# Altium PCB drac_v2.PcbDoc (part 4 of 5)
Units mm, origin at the board's own origin, x right, y up, seen from the top; angles counter-clockwise.
Board outline 160 x 214.5 mm, 4 copper layers (Top Layer, Mid Layer 1, Mid Layer 2, Bottom Layer), stack 1.57 mm thick; 345 components, 219 nets, 1278 pads, 816 vias.
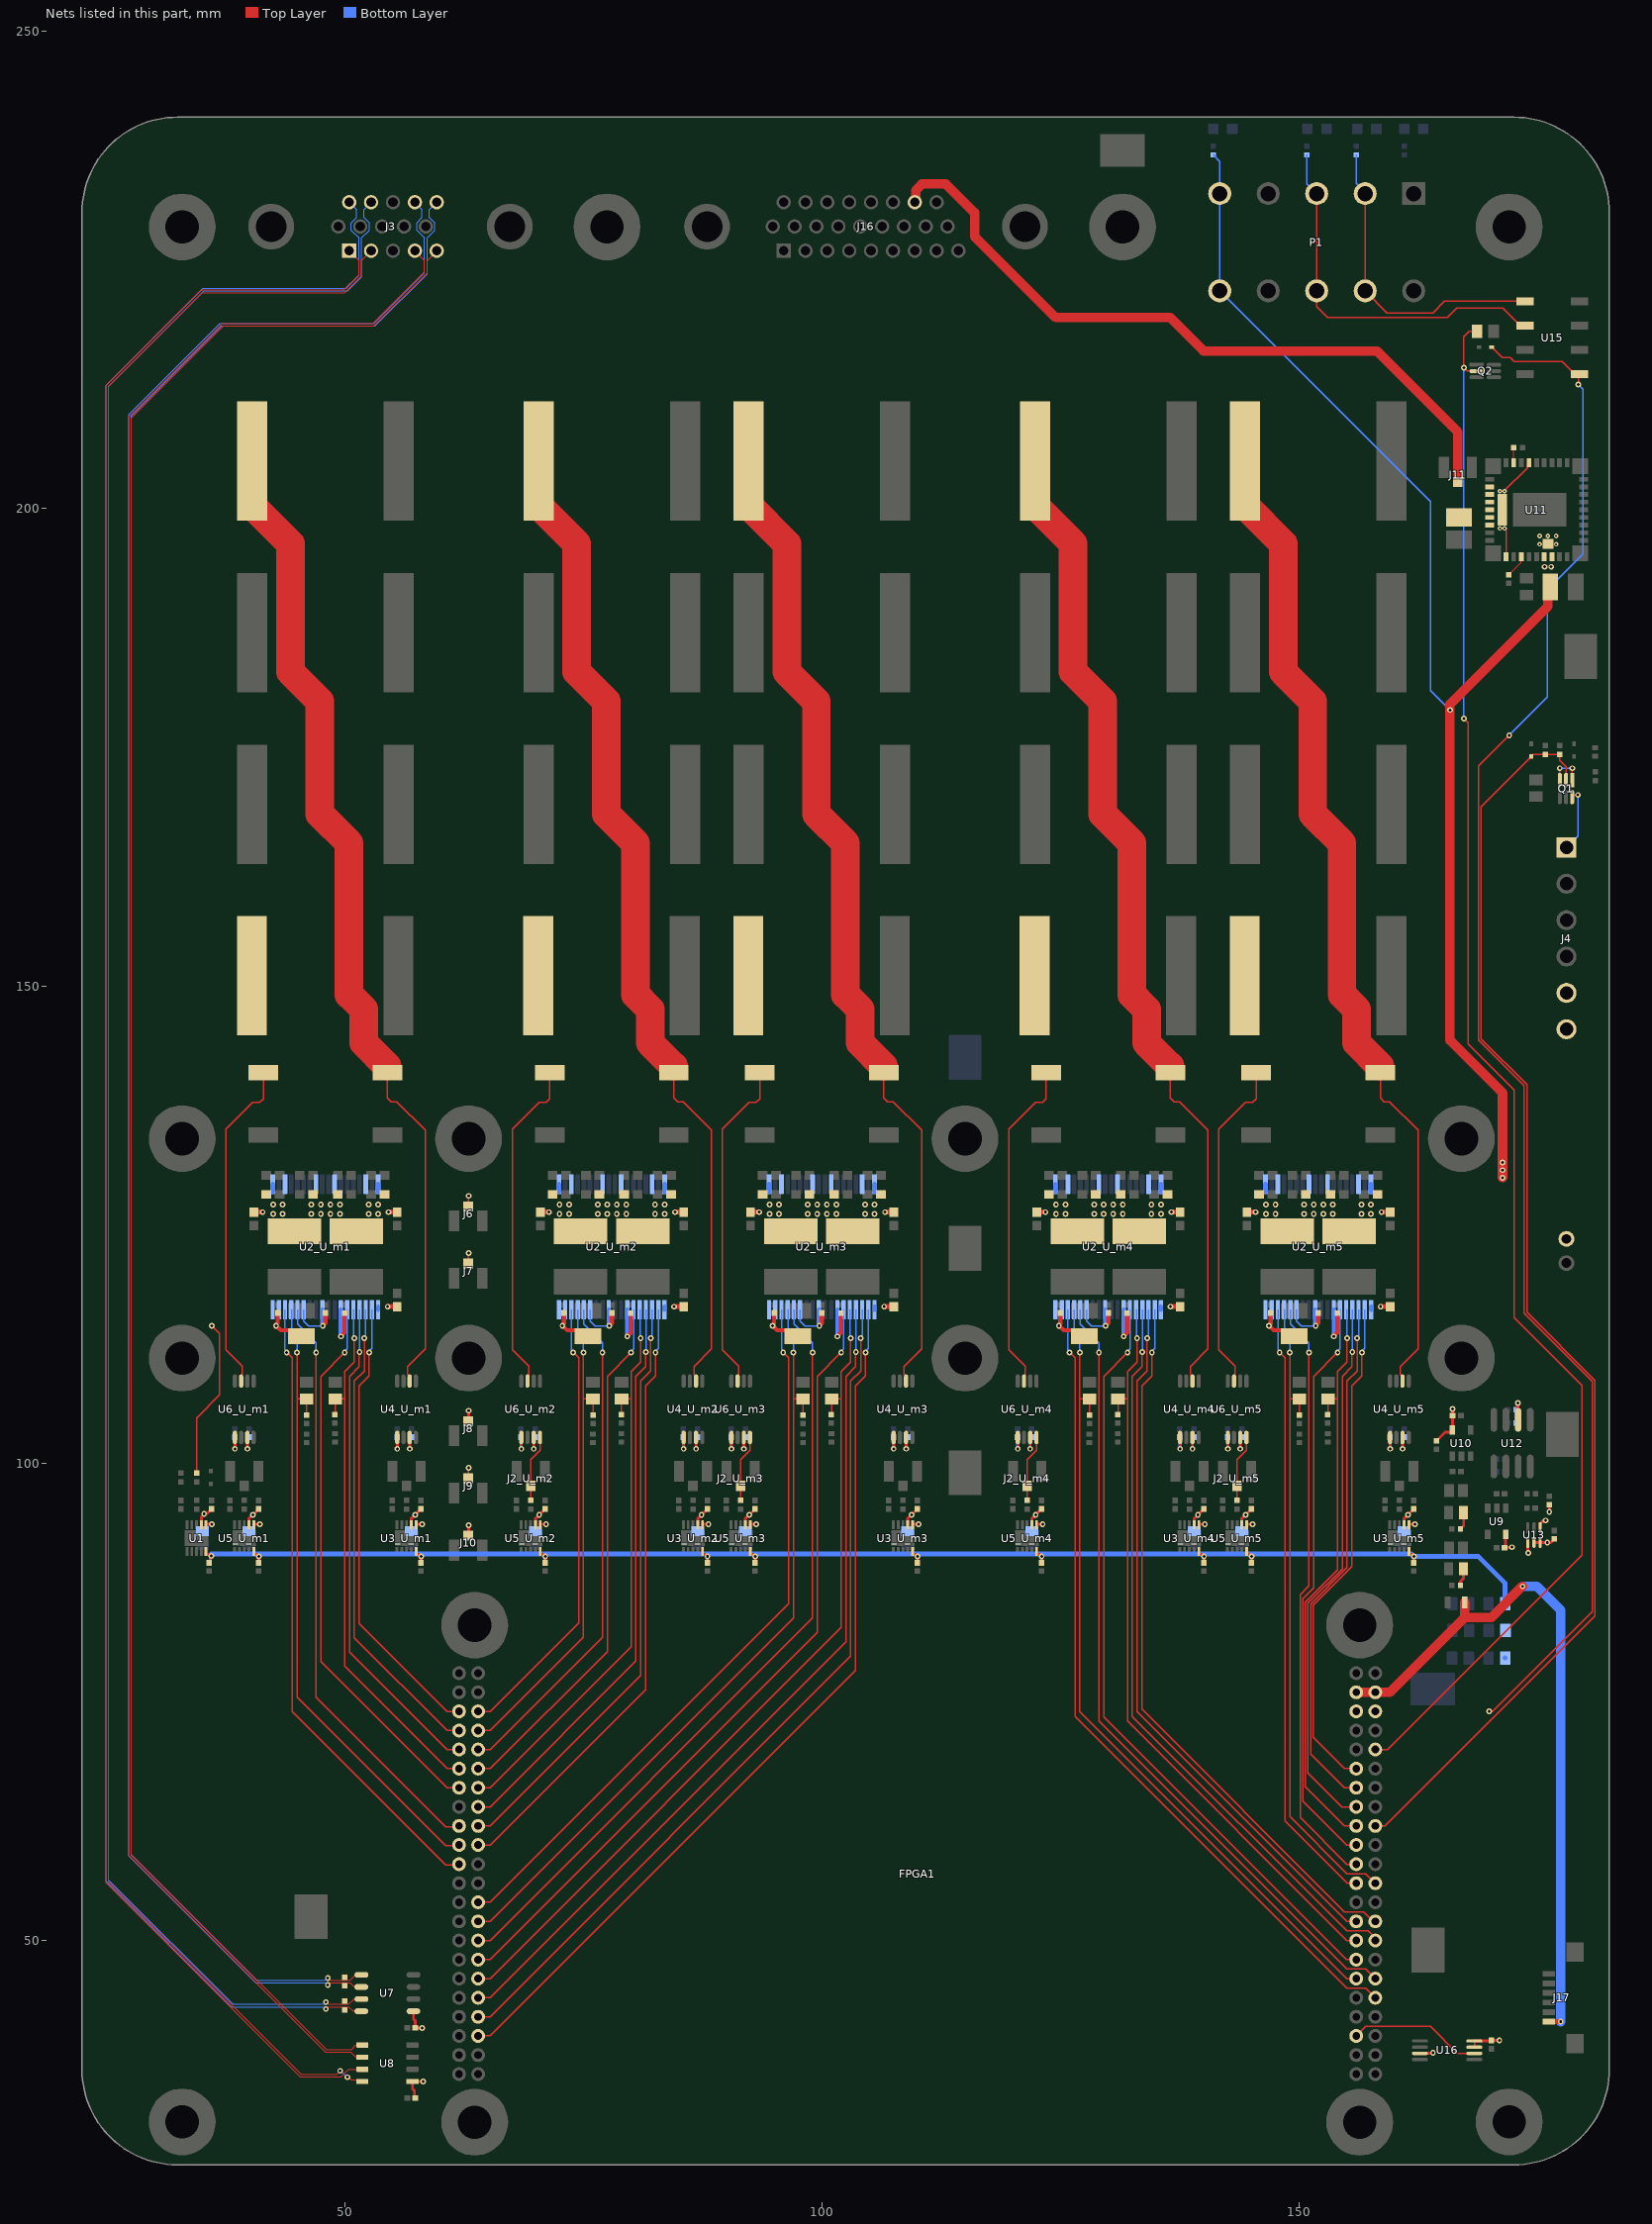
[diagram p6: the nets of this part, all layers, seen from the top]

## Via types
v1: diameter 0.6, hole 0.3, Top Layer to Bottom Layer, 790 vias
v2: diameter 0.5, hole 0.2, Top Layer to Bottom Layer, 26 vias

## Nets (pads, with @x,y where several pads share a name; then routed paths per layer and width w, separated by ;. In a path a pad name is that pad's centre, name@x,y a point inside that pad or via, vN(x,y) a via of type N, cw(c..) or ccw(c..) an arc to the next point about the centre after c; other vN are vias at no path point) (continued)
NetJ2_U_m2_2: J2_U_m2.2 R10_U_m2.2 U6_U_m2.8 | length 7
  Top Layer w0.147: R10_U_m2.2@69.5,96.1 J2_U_m2.2@69.5,97.623 69.5,100.373 70.475,101.348 U6_U_m2.8@70.475,102.698
NetJ2_U_m3_2: J2_U_m3.2 R10_U_m3.2 U6_U_m3.8 | length 7
  Top Layer w0.147: R10_U_m3.2@91.5,96.1 J2_U_m3.2@91.5,97.623 91.5,100.373 92.475,101.348 U6_U_m3.8@92.475,102.698
NetJ2_U_m4_2: J2_U_m4.2 R10_U_m4.2 U6_U_m4.8 | length 7
  Top Layer w0.147: R10_U_m4.2@121.5,96.1 J2_U_m4.2@121.5,97.623 121.5,100.373 122.475,101.348 U6_U_m4.8@122.475,102.698
NetJ2_U_m5_2: J2_U_m5.2 R10_U_m5.2 U6_U_m5.8 | length 7
  Top Layer w0.147: R10_U_m5.2@143.5,96.1 J2_U_m5.2@143.5,97.623 143.5,100.373 144.475,101.348 U6_U_m5.8@144.475,102.698
NetJ4_1: J4.1 Q1.6 | length 6.8
  Top Layer w0.147: Q1.6@178.6,169.766 178.6,169.877 178.723,170 v1(179.2,170)
  Bottom Layer w0.147: J4.1@178,164.5 179.2,165.7 v1(179.2,170)
NetL1_U_m1_1: L1_U_m1.1 R2_U_m1.2 U4_U_m1.2 | length 104.4
  Top Layer w0.147: R2_U_m1.2@54.5,140.898 54.5,138.287 54.912,137.875 55.473,137.875 58.45,134.898 58.45,111.973 56.6,110.123 56.6,109.311 56.825,109.086 U4_U_m1.2@56.825,108.598
  Top Layer w3: L1_U_m1.1@40.325,205 40.325,200.325 40.4,200.25 44.325,196.325 44.325,182.9 47.427,179.798 47.427,167.996 50.479,164.944 50.479,149.089 52.025,147.543 52.025,144.023 R2_U_m1.2@54.45,141.598
NetL1_U_m2_1: L1_U_m2.1 R2_U_m2.2 U4_U_m2.2 | length 104.4
  Top Layer w0.147: R2_U_m2.2@84.5,140.898 84.5,138.287 84.912,137.875 85.473,137.875 88.45,134.898 88.45,111.973 86.6,110.123 86.6,109.311 86.825,109.086 U4_U_m2.2@86.825,108.598
  Top Layer w3: L1_U_m2.1@70.325,205 70.325,200.325 70.4,200.25 74.325,196.325 74.325,182.9 77.427,179.798 77.427,167.996 80.479,164.944 80.479,149.089 82.025,147.543 82.025,144.023 R2_U_m2.2@84.45,141.598
NetL1_U_m3_1: L1_U_m3.1 R2_U_m3.2 U4_U_m3.2 | length 104.4
  Top Layer w0.147: R2_U_m3.2@106.5,140.898 106.5,138.287 106.912,137.875 107.473,137.875 110.45,134.898 110.45,111.973 108.6,110.123 108.6,109.311 108.825,109.086 U4_U_m3.2@108.825,108.598
  Top Layer w3: L1_U_m3.1@92.325,205 92.325,200.325 92.4,200.25 96.325,196.325 96.325,182.9 99.427,179.798 99.427,167.996 102.479,164.944 102.479,149.089 104.025,147.543 104.025,144.023 R2_U_m3.2@106.45,141.598
NetL1_U_m4_1: L1_U_m4.1 R2_U_m4.2 U4_U_m4.2 | length 104.4
  Top Layer w0.147: R2_U_m4.2@136.5,140.898 136.5,138.287 136.912,137.875 137.473,137.875 140.45,134.898 140.45,111.973 138.6,110.123 138.6,109.311 138.825,109.086 U4_U_m4.2@138.825,108.598
  Top Layer w3: L1_U_m4.1@122.325,205 122.325,200.325 122.4,200.25 126.325,196.325 126.325,182.9 129.427,179.798 129.427,167.996 132.479,164.944 132.479,149.089 134.025,147.543 134.025,144.023 R2_U_m4.2@136.45,141.598
NetL1_U_m5_1: L1_U_m5.1 R2_U_m5.2 U4_U_m5.2 | length 104.4
  Top Layer w0.147: R2_U_m5.2@158.5,140.898 158.5,138.287 158.912,137.875 159.473,137.875 162.45,134.898 162.45,111.973 160.6,110.123 160.6,109.311 160.825,109.086 U4_U_m5.2@160.825,108.598
  Top Layer w3: L1_U_m5.1@144.325,205 144.325,200.325 144.4,200.25 148.325,196.325 148.325,182.9 151.427,179.798 151.427,167.996 154.479,164.944 154.479,149.089 156.025,147.543 156.025,144.023 R2_U_m5.2@158.45,141.598
NetL4_U_m1_1: L4_U_m1.1 R3_U_m1.2 U6_U_m1.3 | length 35.1
  Top Layer w0.147: U6_U_m1.3@39.175,108.598 39.175,109.155 39.301,109.281 39.301,110.172 37.576,111.897 37.576,134.974 40.399,137.797 41.124,137.797 41.5,138.173 R3_U_m1.2@41.5,140.898
NetL4_U_m2_1: L4_U_m2.1 R3_U_m2.2 U6_U_m2.3 | length 35.1
  Top Layer w0.147: U6_U_m2.3@69.175,108.598 69.175,109.155 69.301,109.281 69.301,110.172 67.576,111.897 67.576,134.974 70.399,137.797 71.124,137.797 71.5,138.173 R3_U_m2.2@71.5,140.898
NetL4_U_m3_1: L4_U_m3.1 R3_U_m3.2 U6_U_m3.3 | length 35.1
  Top Layer w0.147: U6_U_m3.3@91.175,108.598 91.175,109.155 91.301,109.281 91.301,110.172 89.576,111.897 89.576,134.974 92.399,137.797 93.124,137.797 93.5,138.173 R3_U_m3.2@93.5,140.898
NetL4_U_m4_1: L4_U_m4.1 R3_U_m4.2 U6_U_m4.3 | length 35.1
  Top Layer w0.147: U6_U_m4.3@121.175,108.598 121.175,109.155 121.301,109.281 121.301,110.172 119.576,111.897 119.576,134.974 122.399,137.797 123.124,137.797 123.5,138.173 R3_U_m4.2@123.5,140.898
NetL4_U_m5_1: L4_U_m5.1 R3_U_m5.2 U6_U_m5.3 | length 35.1
  Top Layer w0.147: U6_U_m5.3@143.175,108.598 143.175,109.155 143.301,109.281 143.301,110.172 141.576,111.897 141.576,134.974 144.399,137.797 145.124,137.797 145.5,138.173 R3_U_m5.2@145.5,140.898
NetL5_1: L5.1 R13.2 | length 1.8
  Top Layer w0.3: R13.2@166.899,87.224 166.899,87.624 167.2,87.925 167.2,88.892 L5.1@167.232,88.924
NetL6_1: L6.1 R14.2 | length 1.8
  Top Layer w0.3: R14.2@166.899,93.124 166.899,93.126 167.232,93.459 L6.1@167.232,94.824
NetP1_2: P1.2 P1.7 R41.2 U15.5 | length 32.8
  Top Layer w0.147: P1.2@156.92,233 P1.7@156.92,222.8 159.22,220.5 164,220.5 165.21,221.71 U15.5@173.65,221.71
  Bottom Layer w0.147: R41.2@156,237.048 156,234.088 156.92,233.168 P1.2@156.92,233
NetP1_3: P1.3 P1.8 R40.2 U15.6 | length 39.8
  Top Layer w0.147: P1.3@151.84,233 P1.8@151.84,222.8 151.84,221.16 153,220 165.5,220 166.5,221 171.32,221 173.15,219.17 U15.6@173.65,219.17
  Bottom Layer w0.147: R40.2@150.8,237.048 150.8,234.04 P1.3@151.84,233
NetQ1_1: Q1.1 Q1.3 | length 3.8
  Top Layer w0.147: Q1.3@177.3,171.568 v1(177.3,172.8) ; Q1.1@178.6,171.568 v1(178.6,172.8)
  Bottom Layer w0.147: v1(177.3,172.8) v1(178.6,172.8)
NetR4_U_m1_1: R4_U_m1.1 U2_U_m1.7 | length 5.4
  Top Layer w0.45: v1(49.625,113.279) 49.625,113.32 50,113.695 R4_U_m1.1@50,115.696
  Bottom Layer w0.45: v1(49.625,113.279) U2_U_m1.7@49.625,116.073
NetR4_U_m2_1: R4_U_m2.1 U2_U_m2.7 | length 5.4
  Top Layer w0.45: v1(79.625,113.279) 79.625,113.32 80,113.695 R4_U_m2.1@80,115.696
  Bottom Layer w0.45: v1(79.625,113.279) U2_U_m2.7@79.625,116.073
NetR4_U_m3_1: R4_U_m3.1 U2_U_m3.7 | length 5.4
  Top Layer w0.45: v1(101.625,113.279) 101.625,113.32 102,113.695 R4_U_m3.1@102,115.696
  Bottom Layer w0.45: v1(101.625,113.279) U2_U_m3.7@101.625,116.073
NetR4_U_m4_1: R4_U_m4.1 U2_U_m4.7 | length 5.4
  Top Layer w0.45: v1(131.625,113.279) 131.625,113.32 132,113.695 R4_U_m4.1@132,115.696
  Bottom Layer w0.45: v1(131.625,113.279) U2_U_m4.7@131.625,116.073
NetR4_U_m5_1: R4_U_m5.1 U2_U_m5.7 | length 5.4
  Top Layer w0.45: v1(153.625,113.279) 153.625,113.32 154,113.695 R4_U_m5.1@154,115.696
  Bottom Layer w0.45: v1(153.625,113.279) U2_U_m5.7@153.625,116.073
NetR21_1: R21.1 U11.9 | length 1.6
  Top Layer w0.127: U11.9@172.474,204.799 172.479,204.804 R21.1@172.479,206.407
NetR22_1: R22.1 U11.24 | length 2.4
  Top Layer w0.127: R22.1@171.931,193.059 171.933,193.059 172.153,193.28 172.153,193.282 173.23,194.358 173.23,194.905 U11.24@173.274,194.949
nFAULT1: FPGA1.81 U2_U_m1.3 | length 49.8
  Top Layer w0.147: v1(52.075,113.098) 52.075,109.649 51.025,108.598 51.025,81.725 60.75,72 FPGA1.81@62,72
  Bottom Layer w0.147: v1(52.075,113.098) 52.075,113.221 52.225,113.37 U2_U_m1.3@52.225,116.073
nFAULT2: FPGA1.72 U2_U_m2.3 | length 62.4
  Top Layer w0.147: FPGA1.72@64,62 65.25,62 81.025,77.775 81.025,108.598 82.075,109.649 v1(82.075,113.098)
  Bottom Layer w0.147: v1(82.075,113.098) 82.075,113.221 82.225,113.37 U2_U_m2.3@82.225,116.073
nFAULT3: FPGA1.52 U2_U_m3.3 | length 91.5
  Top Layer w0.147: FPGA1.52@64,42 65.25,42 103.025,79.775 103.025,108.598 104.075,109.649 v1(104.075,113.098)
  Bottom Layer w0.147: v1(104.075,113.098) 104.075,113.221 104.225,113.37 U2_U_m3.3@104.225,116.073
nFAULT4: FPGA1.17 U2_U_m4.3 | length 74.7
  Top Layer w0.147: v1(134.075,113.098) 134.075,109.649 133.025,108.598 133.025,73.975 155,52 FPGA1.17@155.98,52
  Bottom Layer w0.147: v1(134.075,113.098) 134.075,113.221 134.225,113.37 U2_U_m4.3@134.225,116.073
nFAULT5: FPGA1.31 U2_U_m5.3 | length 54.9
  Top Layer w0.147: FPGA1.31@155.98,66 154.75,66 151.202,69.548 151.202,85.227 155.025,89.049 155.025,108.598 156.075,109.649 v1(156.075,113.098)
  Bottom Layer w0.147: v1(156.075,113.098) 156.075,113.221 156.225,113.37 U2_U_m5.3@156.225,116.073
nOTW1: FPGA1.83 U2_U_m1.2 | length 47.7
  Top Layer w0.147: v1(52.576,111.598) 52.576,109.149 51.525,108.098 51.525,83.225 60.75,74 FPGA1.83@62,74
  Bottom Layer w0.147: v1(52.576,111.598) 52.576,111.721 52.875,112.02 U2_U_m1.2@52.875,116.073
nOTW2: FPGA1.70 U2_U_m2.2 | length 64.6
  Top Layer w0.147: FPGA1.70@64,60 65.25,60 81.525,76.275 81.525,108.098 82.576,109.149 v1(82.576,111.598)
  Bottom Layer w0.147: v1(82.576,111.598) 82.576,111.721 82.875,112.02 U2_U_m2.2@82.875,116.073
nOTW3: FPGA1.50 U2_U_m3.2 | length 93.7
  Top Layer w0.147: FPGA1.50@64,40 65.25,40 103.525,78.275 103.525,108.098 104.576,109.149 v1(104.576,111.598)
  Bottom Layer w0.147: v1(104.576,111.598) 104.576,111.721 104.875,112.02 U2_U_m3.2@104.875,116.073
nOTW4: FPGA1.18 U2_U_m4.2 | length 76.1
  Top Layer w0.147: v1(134.576,111.598) 134.576,109.149 133.525,108.098 133.525,74.225 154.75,53 156.75,53 157.75,52 FPGA1.18@157.98,52
  Bottom Layer w0.147: v1(134.576,111.598) 134.576,111.721 134.875,112.02 U2_U_m4.2@134.875,116.073
nOTW5: FPGA1.33 U2_U_m5.2 | length 52.9
  Top Layer w0.147: FPGA1.33@155.98,68 154.75,68 151.476,71.274 151.476,85.113 155.525,89.162 155.525,108.098 156.576,109.149 v1(156.576,111.598)
  Bottom Layer w0.147: v1(156.576,111.598) 156.576,111.721 156.875,112.02 U2_U_m5.2@156.875,116.073
nRESET1_1: FPGA1.77 R5_U_m1.2 R7_U_m1.2 U2_U_m1.5 | length 56.9
  Top Layer w0.147: R7_U_m1.2@49,105.1 49.025,105.125 R5_U_m1.2@49.025,106.722 50.025,106.722 ; v1(51.025,113.098) 51.025,110.598 50.025,109.598 50.025,106.722 ; FPGA1.77@62,68 60.75,68 50.025,78.725 50.025,106.722
  Bottom Layer w0.147: U2_U_m1.5@50.925,116.073 50.975,116.023 50.975,113.148 v1(51.025,113.098)
nRESET1_2: FPGA1.76 R5_U_m2.2 R7_U_m2.2 U2_U_m2.5 | length 60.5
  Top Layer w0.147: FPGA1.76@64,66 65.25,66 80.025,80.775 80.025,106.722 ; R7_U_m2.2@79,105.1 79.025,105.125 R5_U_m2.2@79.025,106.722 80.025,106.722 ; v1(81.025,113.098) 81.025,110.598 80.025,109.598 80.025,106.722
  Bottom Layer w0.147: U2_U_m2.5@80.925,116.073 80.975,116.023 80.975,113.148 v1(81.025,113.098)
nRESET1_3: FPGA1.56 R5_U_m3.2 R7_U_m3.2 U2_U_m3.5 | length 89.6
  Top Layer w0.147: FPGA1.56@64,46 65.25,46 102.025,82.775 102.025,106.722 ; R7_U_m3.2@101,105.1 101.025,105.125 R5_U_m3.2@101.025,106.722 102.025,106.722 ; v1(103.025,113.098) 103.025,110.598 102.025,109.598 102.025,106.722
  Bottom Layer w0.147: U2_U_m3.5@102.925,116.073 102.975,116.023 102.975,113.148 v1(103.025,113.098)
nRESET1_4: FPGA1.15 R5_U_m4.2 R7_U_m4.2 U2_U_m4.5 | length 79.7
  Top Layer w0.147: R7_U_m4.2@131,105.1 131.025,105.125 R5_U_m4.2@131.025,106.722 132.025,106.722 ; v1(133.025,113.098) 133.025,110.598 132.025,109.598 132.025,106.722 ; FPGA1.15@155.98,50 155,50 132.025,72.975 132.025,106.722
  Bottom Layer w0.147: U2_U_m4.5@132.925,116.073 132.975,116.023 132.975,113.148 v1(133.025,113.098)
nRESET1_5: FPGA1.27 R5_U_m5.2 R7_U_m5.2 U2_U_m5.5 | length 61.5
  Top Layer w0.147: R7_U_m5.2@153,105.1 153.025,105.125 R5_U_m5.2@153.025,106.722 154.025,106.722 ; v1(155.025,113.098) 155.025,110.598 154.025,109.598 154.025,106.722 ; FPGA1.27@155.98,62 154.75,62 150.655,66.095 150.655,85.454 154.025,88.824 154.025,106.722
  Bottom Layer w0.147: U2_U_m5.5@154.925,116.073 154.975,116.023 154.975,113.148 v1(155.025,113.098)
nRESET2_1: FPGA1.69 R6_U_m1.2 R8_U_m1.2 U2_U_m1.15 | length 67
  Top Layer w0.147: v1(45.025,111.598) 45.025,106.722 ; R8_U_m1.2@46.025,105.05 R6_U_m1.2@46.025,106.722 45.025,106.722 ; FPGA1.69@62,60 61.919,59.919 60.581,59.919 45.025,75.475 45.025,106.722
  Bottom Layer w0.147: U2_U_m1.15@44.425,116.073 44.45,116.048 44.45,113.673 45.025,113.098 v1@45.025,111.599
nRESET2_2: FPGA1.82 R6_U_m2.2 R8_U_m2.2 U2_U_m2.15 | length 52.3
  Top Layer w0.147: FPGA1.82@64,72 65.25,72 75.025,81.775 75.025,106.722 ; v1(75.025,111.598) 75.025,106.722 ; R8_U_m2.2@76.025,105.05 R6_U_m2.2@76.025,106.722 75.025,106.722
  Bottom Layer w0.147: U2_U_m2.15@74.425,116.073 74.45,116.048 74.45,113.673 75.025,113.098 v1@75.025,111.599
nRESET2_3: FPGA1.62 R6_U_m3.2 R8_U_m3.2 U2_U_m3.15 | length 81.4
  Top Layer w0.147: FPGA1.62@64,52 65.25,52 97.025,83.775 97.025,106.722 ; v1(97.025,111.598) 97.025,106.722 ; R8_U_m3.2@98.025,105.05 R6_U_m3.2@98.025,106.722 97.025,106.722
  Bottom Layer w0.147: U2_U_m3.15@96.425,116.073 96.45,116.048 96.45,113.673 97.025,113.098 v1(97.025,111.598)
nRESET2_4: FPGA1.11 R6_U_m4.2 R8_U_m4.2 U2_U_m4.15 | length 85.6
  Top Layer w0.147: v1(127.025,111.598) 127.025,106.722 ; R8_U_m4.2@128.025,105.05 R6_U_m4.2@128.025,106.722 127.025,106.722 ; FPGA1.11@155.98,46 155,46 127.025,73.975 127.025,106.722
  Bottom Layer w0.147: U2_U_m4.15@126.425,116.073 126.45,116.048 126.45,113.673 127.025,113.098 v1(127.025,111.598)
nRESET2_5: FPGA1.22 R6_U_m5.2 R8_U_m5.2 U2_U_m5.15 | length 67.9
  Top Layer w0.147: v1(149.025,111.598) 149.025,106.722 ; R8_U_m5.2@150.025,105.05 R6_U_m5.2@150.025,106.722 149.025,106.722 ; FPGA1.22@157.98,56 156.98,57 155,57 149.025,62.975 149.025,106.722
  Bottom Layer w0.147: U2_U_m5.15@148.425,116.073 148.45,116.048 148.45,113.673 149.025,113.098 v1(149.025,111.598)
PWM1_N1: FPGA1.79 U2_U_m1.4 | length 52
  Top Layer w0.147: v1(51.575,111.648) 51.525,111.598 51.525,110.098 50.525,109.098 50.525,80.225 60.75,70 FPGA1.79@62,70
  Bottom Layer w0.147: v1(51.575,111.648) U2_U_m1.4@51.575,116.073
PWM1_N2: FPGA1.74 U2_U_m2.4 | length 60.1
  Top Layer w0.147: FPGA1.74@64,64 65.25,64 80.525,79.275 80.525,109.098 81.525,110.098 81.525,111.598 v1(81.575,111.648)
  Bottom Layer w0.147: v1(81.575,111.648) U2_U_m2.4@81.575,116.073
PWM1_N3: FPGA1.54 U2_U_m3.4 | length 89.2
  Top Layer w0.147: FPGA1.54@64,44 65.25,44 102.525,81.275 102.525,109.098 103.525,110.098 103.525,111.598 v1(103.575,111.648)
  Bottom Layer w0.147: v1(103.575,111.648) U2_U_m3.4@103.575,116.073
PWM1_N4: FPGA1.16 U2_U_m4.4 | length 78.4
  Top Layer w0.147: v1(133.575,111.648) 133.525,111.598 133.525,110.098 132.525,109.098 132.525,73.475 155,51 157.25,51 157.98,50.27 FPGA1.16@157.98,50
  Bottom Layer w0.147: v1(133.575,111.648) U2_U_m4.4@133.575,116.073
PWM1_N5: FPGA1.29 U2_U_m5.4 | length 57
  Top Layer w0.147: v1(155.575,111.648) 155.525,111.598 155.525,110.098 154.525,109.098 154.525,88.937 150.929,85.34 150.929,67.571 154.5,64 FPGA1.29@155.98,64
  Bottom Layer w0.147: v1(155.575,111.648) U2_U_m5.4@155.575,116.073
PWM1_P1: FPGA1.75 U2_U_m1.6 | length 57.9
  Top Layer w0.147: v1(50.025,111.598) 47.525,109.098 47.525,79.225 60.75,66 FPGA1.75@62,66
  Bottom Layer w0.147: v1(50.025,111.598) 50.025,111.721 50.275,111.971 U2_U_m1.6@50.275,116.073
PWM1_P2: FPGA1.78 U2_U_m2.6 | length 55.5
  Top Layer w0.147: FPGA1.78@64,68 65.25,68 77.525,80.275 77.525,109.098 v1(80.025,111.598)
  Bottom Layer w0.147: v1(80.025,111.598) 80.025,111.721 80.275,111.971 U2_U_m2.6@80.275,116.073
PWM1_P3: FPGA1.58 U2_U_m3.6 | length 84.7
  Top Layer w0.147: FPGA1.58@64,48 65.25,48 99.525,82.275 99.525,109.098 v1(102.025,111.598)
  Bottom Layer w0.147: v1(102.025,111.598) 102.025,111.721 102.275,111.971 U2_U_m3.6@102.275,116.073
PWM1_P4: FPGA1.13 U2_U_m4.6 | length 80.8
  Top Layer w0.147: v1(132.025,111.598) 129.525,109.098 129.525,73.411 154.936,48 FPGA1.13@155.98,48
  Bottom Layer w0.147: v1(132.025,111.598) 132.025,111.721 132.275,111.971 U2_U_m4.6@132.275,116.073
PWM1_P5: FPGA1.25 U2_U_m5.6 | length 60.6
  Top Layer w0.147: v1(154.025,111.598) 151.525,109.098 151.525,86.931 150.381,85.787 150.381,64.619 155,60 FPGA1.25@155.98,60
  Bottom Layer w0.147: v1(154.025,111.598) 154.025,111.721 154.275,111.971 U2_U_m5.6@154.275,116.073
PWM2_N1: FPGA1.71 U2_U_m1.14 | length 62
  Top Layer w0.147: v1(47.025,111.598) 47.025,75.475 60.581,61.919 61.919,61.919 FPGA1.71@62,62
  Bottom Layer w0.147: U2_U_m1.14@45.075,116.073 45.075,114.548 47.025,112.598 v1(47.025,111.598)
PWM2_N2: FPGA1.80 U2_U_m2.14 | length 53
  Top Layer w0.147: FPGA1.80@64,70 65.25,70 77.025,81.775 v1(77.025,111.598)
  Bottom Layer w0.147: U2_U_m2.14@75.075,116.073 75.075,114.548 77.025,112.598 v1(77.025,111.598)
PWM2_N3: FPGA1.60 U2_U_m3.14 | length 82.1
  Top Layer w0.147: FPGA1.60@64,50 65.25,50 99.025,83.775 v1(99.025,111.598)
  Bottom Layer w0.147: U2_U_m3.14@97.075,116.073 97.075,114.548 99.025,112.598 v1(99.025,111.598)
PWM2_N4: FPGA1.12 U2_U_m4.14 | length 84
  Top Layer w0.147: v1(129.025,111.598) 129.025,72.975 155,47 156.98,47 FPGA1.12@157.98,46
  Bottom Layer w0.147: U2_U_m4.14@127.075,116.073 127.075,114.548 129.025,112.598 v1(129.025,111.598)
PWM2_N5: FPGA1.23 U2_U_m5.14 | length 62.3
  Top Layer w0.147: v1(151.025,111.598) 151.025,87.143 150.107,86.225 150.107,62.893 155.025,57.975 155.955,57.975 FPGA1.23@155.98,58
  Bottom Layer w0.147: U2_U_m5.14@149.075,116.073 149.075,114.548 151.025,112.598 v1(151.025,111.598)
PWM2_P1: FPGA1.67 U2_U_m1.16 | length 66.6
  Top Layer w0.147: v1(43.95,111.598) 44.525,111.023 44.525,73.975 60.581,57.919 61.919,57.919 FPGA1.67@62,58
  Bottom Layer w0.147: U2_U_m1.16@43.775,116.073 43.775,111.895 43.95,111.721 v1(43.95,111.598)
PWM2_P2: FPGA1.84 U2_U_m2.16 | length 47.5
  Top Layer w0.147: FPGA1.84@64,74 65.25,74 74.525,83.275 74.525,111.023 v1(73.95,111.598)
  Bottom Layer w0.147: U2_U_m2.16@73.775,116.073 73.775,111.895 73.95,111.721 v1(73.95,111.598)
PWM2_P3: FPGA1.64 U2_U_m3.16 | length 76.6
  Top Layer w0.147: FPGA1.64@64,54 65.25,54 96.525,85.275 96.525,111.023 v1(95.95,111.598)
  Bottom Layer w0.147: U2_U_m3.16@95.775,116.073 95.775,111.895 95.95,111.721 v1(95.95,111.598)
PWM2_P4: FPGA1.10 U2_U_m4.16 | length 86.6
  Top Layer w0.147: v1(125.95,111.598) 126.525,111.023 126.525,73.475 155,45 156.98,45 FPGA1.10@157.98,44
  Bottom Layer w0.147: U2_U_m4.16@125.775,116.073 125.775,111.895 125.95,111.721 v1(125.95,111.598)
PWM2_P5: FPGA1.21 U2_U_m5.16 | length 64
  Top Layer w0.147: v1(147.95,111.598) 148.525,111.023 148.525,62.525 155.075,55.975 155.955,55.975 FPGA1.21@155.98,56
  Bottom Layer w0.147: U2_U_m5.16@147.775,116.073 147.775,111.895 147.95,111.721 v1(147.95,111.598)
RCLK_N: J3.12 R11.1 U7.7 | length 228.8
  Top Layer w0.127: v1(48.05,43.547) 48.272,43.325 50.447,43.325 50.987,43.865 U7.7@51.775,43.865
  Bottom Layer w0.127: v1(48.05,43.547) 48.05,43.333 48.042,43.325 38.285,43.325 25.3,56.31 25.3,212.801 35.317,222.817 50.321,222.817 51.786,224.283 51.786,228.346 52.591,229.15 52.591,229.93 52.04,230.481 52.04,231.33 J3.12@52.79,232.08
RCLK_P: J3.11 R11.2 U7.8 | length 229.2
  Top Layer w0.127: v1(48.05,42.82) 48.272,43.042 50.458,43.042 50.905,42.595 U7.8@51.775,42.595
  Bottom Layer w0.127: v1(48.05,42.82) 48.05,43.034 48.042,43.042 38.168,43.042 25.017,56.193 25.017,212.918 35.2,223.1 50.204,223.1 51.504,224.4 51.504,228.356 50.709,229.15 50.709,229.93 51.26,230.481 51.26,231.32 J3.11@50.5,232.08
RDAT_N: J3.15 R12.1 U7.5 | length 226.2
  Top Layer w0.127: v1(48.25,46.075) 48.339,46.075 48.561,45.853 50.578,45.853 51.039,46.314 51.684,46.314 U7.5@51.775,46.405
  Bottom Layer w0.127: v1(48.25,46.075) 48.161,46.075 47.939,45.853 40.797,45.853 27.7,58.95 27.7,209.717 37.1,219.117 53.191,219.117 58.656,224.583 58.656,228.346 59.461,229.15 59.461,229.93 58.91,230.481 58.91,231.33 J3.15@59.66,232.08
RDAT_P: J3.14 R12.2 U7.6 | length 226.6
  Top Layer w0.127: v1(48.25,45.348) 48.339,45.348 48.561,45.57 50.605,45.57 50.975,45.2 51.71,45.2 U7.6@51.775,45.135